# Allegro board RK_EVB7_RK3588_LP4XD200P232SD8_V11_20230111YWQ.brd (continued)
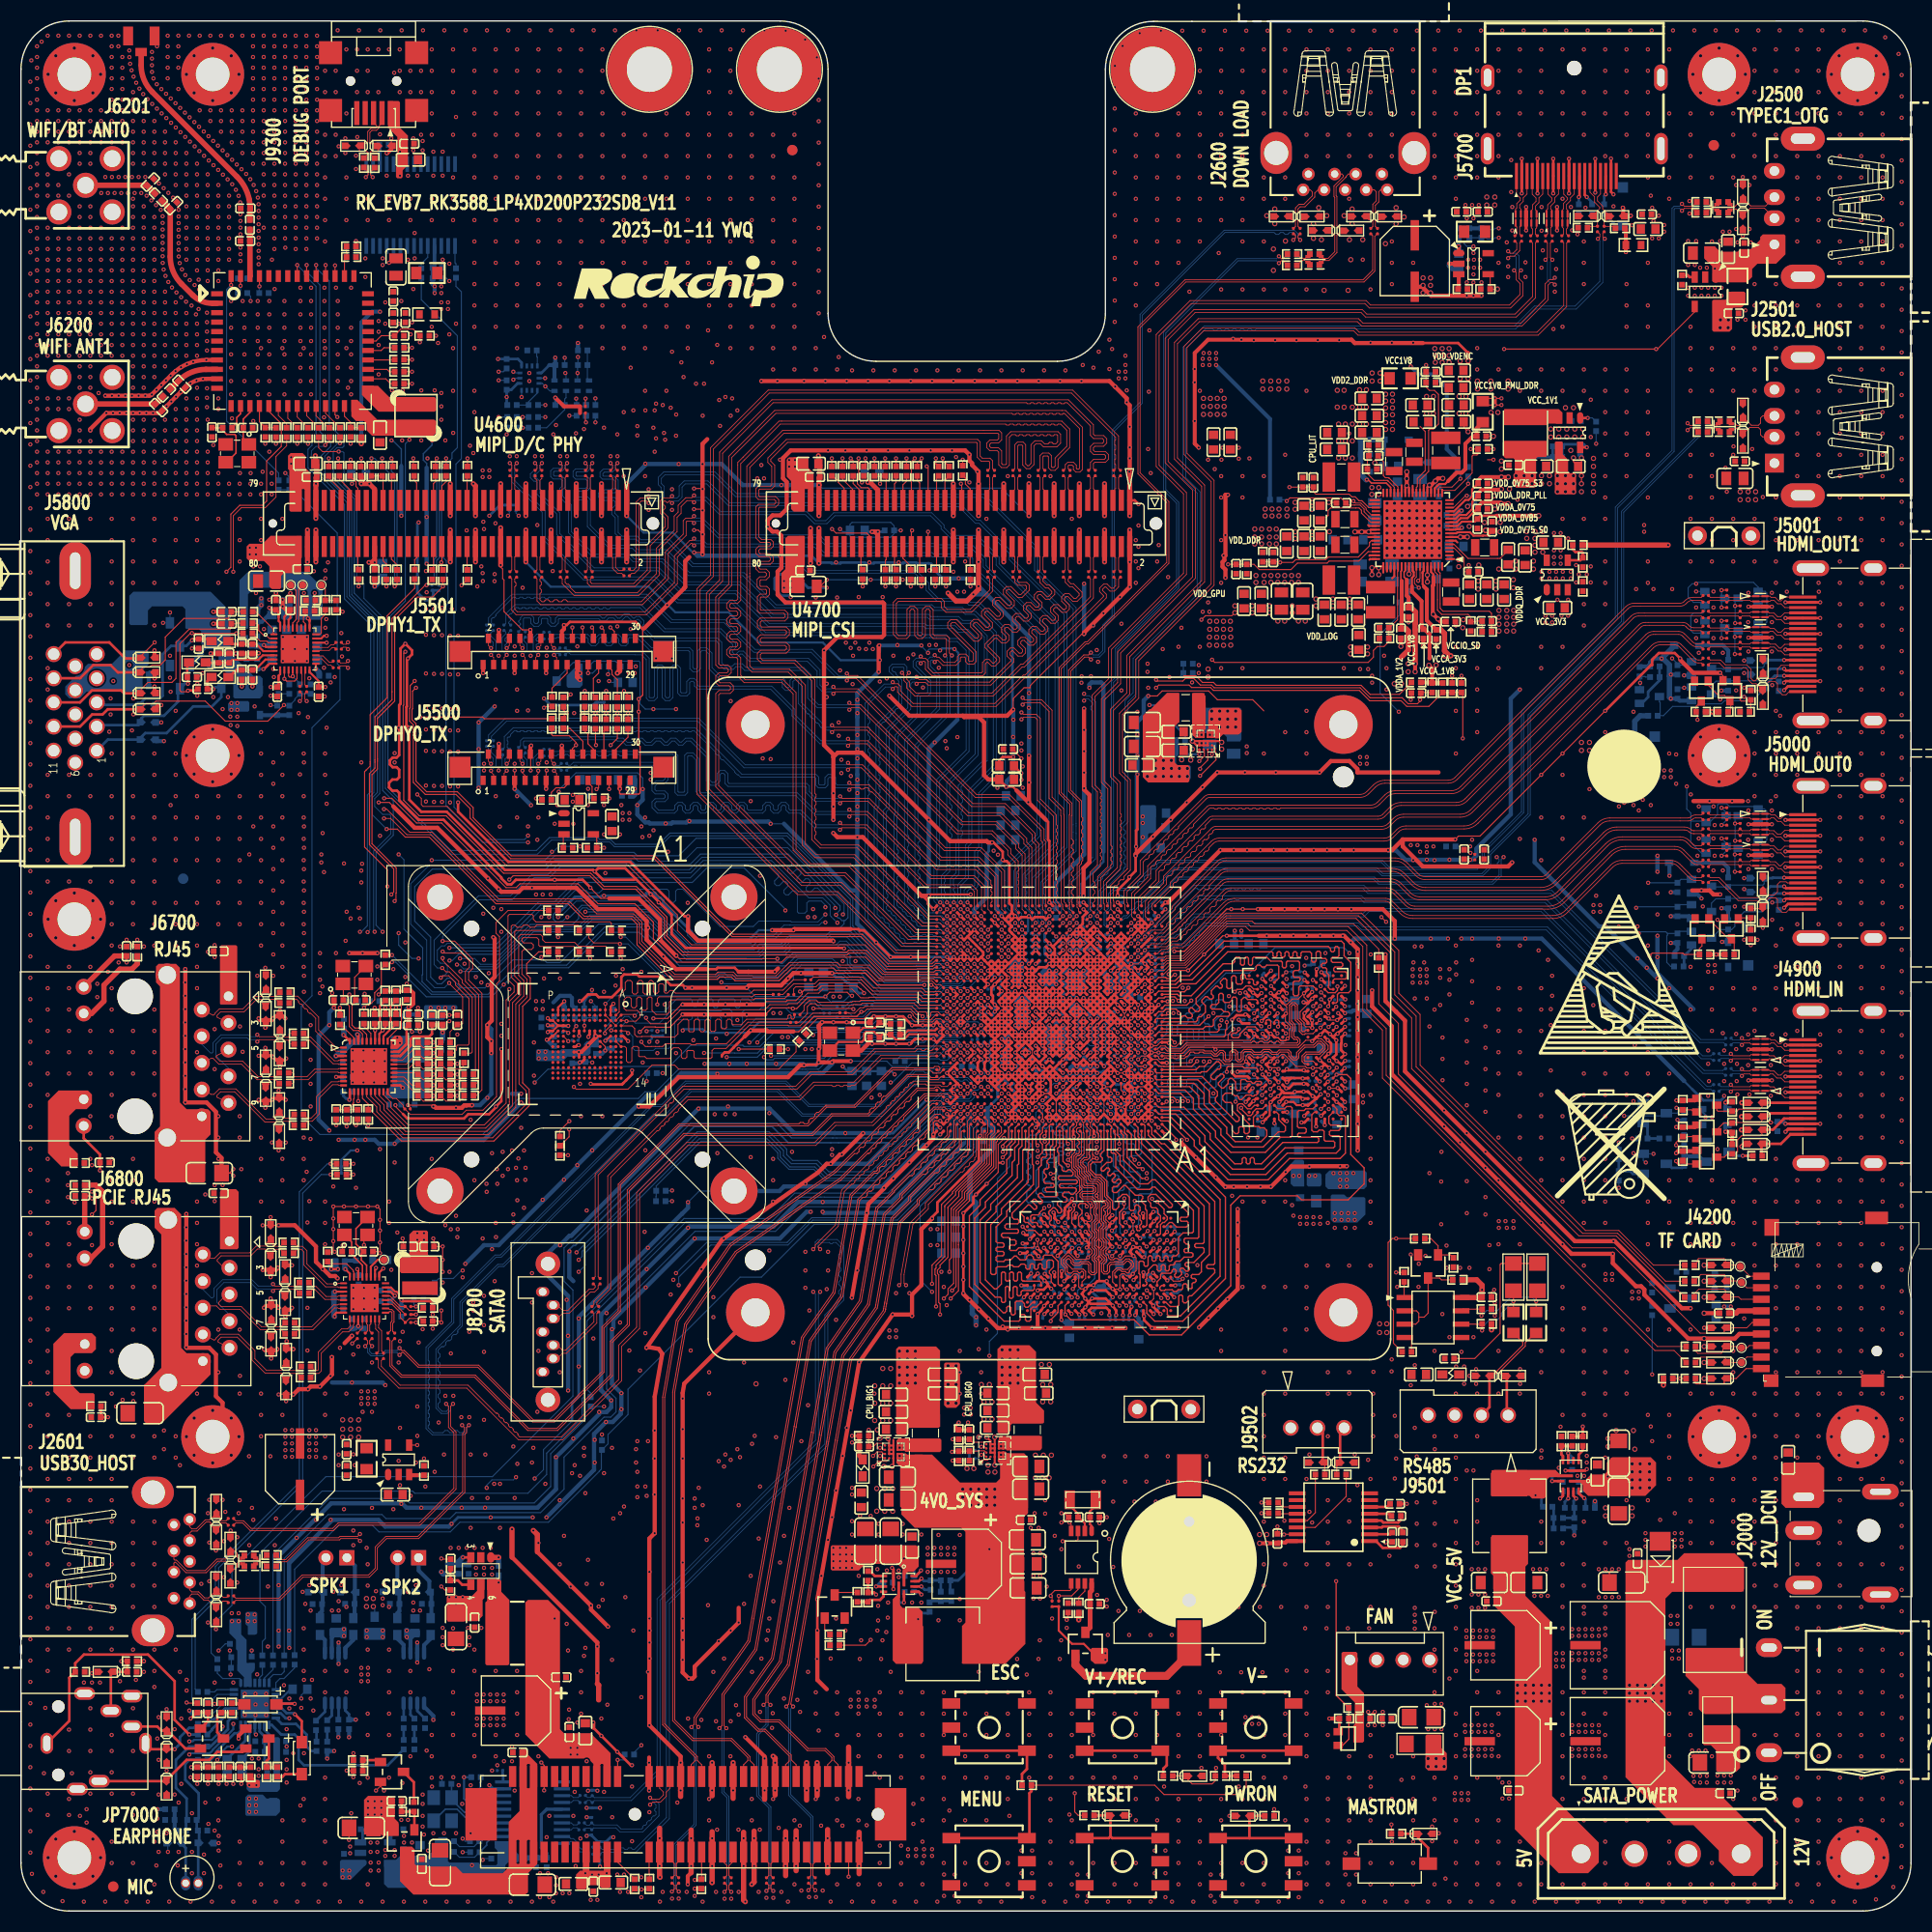
[diagram p0: board, top side]
## Nets (continued)
VDDQ_DDR: C3824.1 C3825.1 C3826.1 C3827.1 C3828.1 C3829.1 C3830.1 C3831.1 C3832.1 C3833.1 C3834.1 C3835.1 C3836.1 C3837.1 C3838.1 C3839.1 C3840.1 C3841.1 C3842.1 C3869.1 C3870.1 C3871.1 C3872.1 C3873.1 C3874.1 C3875.1 C3876.1 C3877.1 C3878.1 C3879.1 C3880.1 C3881.1 C3882.1 C3883.1 C3884.1 C3885.1 C3886.1 C3887.1 R3808.1 R3809.1 R3810.1 R3811.1 R3818.1 R3819.1 U3800.AA3(VDDQ_17) U3800.AA5(VDDQ_18) U3800.AA8(VDDQ_19) U3800.AA10(VDDQ_20) U3800.B3(VDDQ_1) U3800.B5(VDDQ_2) U3800.B8(VDDQ_3) U3800.B10(VDDQ_4) U3800.D1(VDDQ_5) U3800.D5(VDDQ_6) U3800.D8(VDDQ_7) U3800.D12(VDDQ_8) U3800.F3(VDDQ_9) U3800.F10(VDDQ_10) U3800.U3(VDDQ_11) U3800.U10(VDDQ_12) U3800.W1(VDDQ_13) U3800.W5(VDDQ_14) U3800.W8(VDDQ_15) U3800.W12(VDDQ_16) U3801.AA3(VDDQ_17) U3801.AA5(VDDQ_18) U3801.AA8(VDDQ_19) U3801.AA10(VDDQ_20) U3801.B3(VDDQ_1) U3801.B5(VDDQ_2) U3801.B8(VDDQ_3) U3801.B10(VDDQ_4) U3801.D1(VDDQ_5) U3801.D5(VDDQ_6) U3801.D8(VDDQ_7) U3801.D12(VDDQ_8) U3801.F3(VDDQ_9) U3801.F10(VDDQ_10) U3801.U3(VDDQ_11) U3801.U10(VDDQ_12) U3801.W1(VDDQ_13) U3801.W5(VDDQ_14) U3801.W8(VDDQ_15) U3801.W12(VDDQ_16)
VDDQ_DDR_CK_S0: C1206.1 C1213.1 C1232.1 R1204.1 U1000.L10(DDR_CH0_VDDQ_CK) U1000.M13(DDR_CH1_VDDQ_CK)
VDDQ_DDR_CKE_S3: C1216.1 C1219.1 R1205.1 U1000.H13(DDR_CH1_VDDQ_CKE) U1000.N8(DDR_CH0_VDDQ_CKE)
VDDQ_DDR_S0: C1200.1 C1201.1 C1202.1 C1203.1 C1204.1 C1205.1 C1207.1 C1208.1 C1209.1 C1210.1 C1211.1 C1212.1 C2224.1 C2225.1 C2226.1 C2233.1 L2204.1 R1200.2 R1201.2 R1202.2 R1203.2 R1204.2 R2207.1 R3808.2 U1000.K11(DDR_CH1_VDDQ_0) U1000.K12(DDR_CH1_VDDQ_1) U1000.K13(DDR_CH1_VDDQ_2) U1000.K14(DDR_CH1_VDDQ_3) U1000.K15(DDR_CH1_VDDQ_4) U1000.M10(DDR_CH0_VDDQ_0) U1000.N10(DDR_CH0_VDDQ_1) U1000.P10(DDR_CH0_VDDQ_2) U1000.R10(DDR_CH0_VDDQ_3) U1000.T10(DDR_CH0_VDDQ_4) U2200.67(VOUT9)
32KOUT_WIFI: C6213.1 R2400.2 R6223.1 U6200.31(LPO)
ALPS_INT: CON9000.7(INT) R9004.1 R9010.1
BIG/NPU_EN: R2302.2 R2303.1 U2300.A2(EN) U2301.A2(EN) U2303.A2(EN)
BL_EN_LCD: J5500.22 R5514.1
BOOT_SARADC_IN0: C1510.1 R1509.1 R1511.2 R9206.1 U1000.AM16(SARADC_IN0_BOOT)
BT_REG_ON_H: R6203.1 U1000.T29(GPIO0_C6_U)
BT_REG_ON_S: R6203.2 R6205.1 U6200.38(BT_REG_ON)
BT_WAKE_HOST_H: R1132.1 R6230.2 U1000.P33(GPIO0_A0_D)
CLKREQB: R6807.1 U6800.12(CLKREQB)
CONFIG0: J5700.13(CONFIG1) R5701.1
CONFIG1: J5700.14(CONFIG2) R5702.1
CPU_BIG0_VSEL: U1000.R31(GPIO0_A3_D) U2300.A1(VSEL)
CPU_BIG1_VSEL: U1000.W28(GPIO0_D6_D) U2301.A1(VSEL)
CSI_HSYNC: R4740.2 R4741.2 U4700.59(LIGHT_SENSOR0/1/XHS0)
DDR_CH0_A0_A: U1000.T7(DDR_CH0_A0_A) U3800.H2(CA0_A)
DDR_CH0_A0_B: U1000.M8(DDR_CH0_A0_B) U3800.R2(CA0_B)
DDR_CH0_A1_A: U1000.T8(DDR_CH0_A1_A) U3800.J2(CA1_A)
DDR_CH0_A1_B: U1000.M5(DDR_CH0_A1_B) U3800.P2(CA1_B)
DDR_CH0_A2_A: U1000.P4(DDR_CH0_A2_A) U3800.H9(CA2_A)
DDR_CH0_A2_B: U1000.N5(DDR_CH0_A2_B) U3800.R9(CA2_B)
DDR_CH0_A3_A: U1000.P5(DDR_CH0_A3_A) U3800.H10(CA3_A)
DDR_CH0_A3_B: U1000.N4(DDR_CH0_A3_B) U3800.R10(CA3_B)
DDR_CH0_A4_A: U1000.R1(DDR_CH0_A4_A) U3800.H11(CA4_A)
DDR_CH0_A4_B: U1000.K1(DDR_CH0_A4_B) U3800.R11(CA4_B)
DDR_CH0_A5_A: U1000.P2(DDR_CH0_A5_A) U3800.J11(CA5_A)
DDR_CH0_A5_B: U1000.L2(DDR_CH0_A5_B) U3800.P11(CA5_B)
DDR_CH0_CLKN_A: U1000.N1(DDR_CH0_CKB_A) U3800.J9(CK_C_A)
DDR_CH0_CLKN_B: U1000.M1(DDR_CH0_CKB_B) U3800.P9(CK_C_B)
DDR_CH0_CLKP_A: U1000.N2(DDR_CH0_CK_A) U3800.J8(CK_T_A)
DDR_CH0_CLKP_B: U1000.M2(DDR_CH0_CK_B) U3800.P8(CK_T_B)
DDR_CH0_DM0_A: U1000.Y4(DDR_CH0_DM0_A) U3800.C3(DMI0_A)
DDR_CH0_DM0_B: U1000.G4(DDR_CH0_DM0_B) U3800.Y3(DMI0_B)
DDR_CH0_DM1_A: U1000.AB4(DDR_CH0_DM1_A) U3800.C10(DMI1_A)
DDR_CH0_DM1_B: U1000.E4(DDR_CH0_DM1_B) U3800.Y10(DMI1_B)
DDR_CH0_DQ0_A: U1000.U1(DDR_CH0_DQ0_A) U3800.B2(DQ0_A)
DDR_CH0_DQ0_B: U1000.H1(DDR_CH0_DQ0_B) U3800.AA2(DQ0_B)
DDR_CH0_DQ1_A: U1000.T2(DDR_CH0_DQ1_A) U3800.C2(DQ1_A)
DDR_CH0_DQ1_B: U1000.J2(DDR_CH0_DQ1_B) U3800.Y2(DQ1_B)
DDR_CH0_DQ2_A: U1000.T1(DDR_CH0_DQ2_A) U3800.E2(DQ2_A)
DDR_CH0_DQ2_B: U1000.J1(DDR_CH0_DQ2_B) U3800.V2(DQ2_B)
DDR_CH0_DQ3_A: U1000.R2(DDR_CH0_DQ3_A) U3800.F2(DQ3_A)
DDR_CH0_DQ3_B: U1000.K2(DDR_CH0_DQ3_B) U3800.U2(DQ3_B)
DDR_CH0_DQ4_A: U1000.W1(DDR_CH0_DQ4_A) U3800.F4(DQ4_A)
DDR_CH0_DQ4_B: U1000.F1(DDR_CH0_DQ4_B) U3800.U4(DQ4_B)
DDR_CH0_DQ5_A: U1000.V2(DDR_CH0_DQ5_A) U3800.E4(DQ5_A)
DDR_CH0_DQ5_B: U1000.G2(DDR_CH0_DQ5_B) U3800.V4(DQ5_B)
DDR_CH0_DQ6_A: U1000.V1(DDR_CH0_DQ6_A) U3800.C4(DQ6_A)
DDR_CH0_DQ6_B: U1000.G1(DDR_CH0_DQ6_B) U3800.Y4(DQ6_B)
DDR_CH0_DQ7_A: U1000.U2(DDR_CH0_DQ7_A) U3800.B4(DQ7_A)
DDR_CH0_DQ7_B: U1000.H2(DDR_CH0_DQ7_B) U3800.AA4(DQ7_B)
DDR_CH0_DQ8_A: U1000.AB2(DDR_CH0_DQ8_A) U3800.B11(DQ8_A)
DDR_CH0_DQ8_B: U1000.D2(DDR_CH0_DQ8_B) U3800.AA11(DQ8_B)
DDR_CH0_DQ9_A: U1000.AB1(DDR_CH0_DQ9_A) U3800.C11(DQ9_A)
DDR_CH0_DQ9_B: U1000.C1(DDR_CH0_DQ9_B) U3800.Y11(DQ9_B)
DDR_CH0_DQ10_A: U1000.AC1(DDR_CH0_DQ10_A) U3800.E11(DQ10_A)
DDR_CH0_DQ10_B: U1000.C2(DDR_CH0_DQ10_B) U3800.V11(DQ10_B)
DDR_CH0_DQ11_A: U1000.AC2(DDR_CH0_DQ11_A) U3800.F11(DQ11_A)
DDR_CH0_DQ11_B: U1000.B1(DDR_CH0_DQ11_B) U3800.U11(DQ11_B)
DDR_CH0_DQ12_A: U1000.Y1(DDR_CH0_DQ12_A) U3800.F9(DQ12_A)
DDR_CH0_DQ12_B: U1000.F2(DDR_CH0_DQ12_B) U3800.U9(DQ12_B)
DDR_CH0_DQ13_A: U1000.Y2(DDR_CH0_DQ13_A) U3800.E9(DQ13_A)
DDR_CH0_DQ13_B: U1000.E1(DDR_CH0_DQ13_B) U3800.V9(DQ13_B)
DDR_CH0_DQ14_A: U1000.AA1(DDR_CH0_DQ14_A) U3800.C9(DQ14_A)
DDR_CH0_DQ14_B: U1000.E2(DDR_CH0_DQ14_B) U3800.Y9(DQ14_B)
DDR_CH0_DQ15_A: U1000.AA2(DDR_CH0_DQ15_A) U3800.B9(DQ15_A)
DDR_CH0_DQ15_B: U1000.D1(DDR_CH0_DQ15_B) U3800.AA9(DQ15_B)
DDR_CH0_DQS0N_A: U1000.U4(DDR_CH0_DQS0N_A) U3800.E3(DQS0_C_A)
DDR_CH0_DQS0N_B: U1000.J7(DDR_CH0_DQS0N_B) U3800.V3(DQS0_C_B)
DDR_CH0_DQS0P_A: U1000.U5(DDR_CH0_DQS0P_A) U3800.D3(DQS0_T_A)
DDR_CH0_DQS0P_B: U1000.J8(DDR_CH0_DQS0P_B) U3800.W3(DQS0_T_B)
DDR_CH0_DQS1N_A: U1000.AA4(DDR_CH0_DQS1N_A) U3800.E10(DQS1_C_A)
DDR_CH0_DQS1N_B: U1000.F4(DDR_CH0_DQS1N_B) U3800.V10(DQS1_C_B)
DDR_CH0_DQS1P_A: U1000.AA5(DDR_CH0_DQS1P_A) U3800.D10(DQS1_T_A)
DDR_CH0_DQS1P_B: U1000.F5(DDR_CH0_DQS1P_B) U3800.W10(DQS1_T_B)
DDR_CH0_LP4/4X_CKE0/LP5_CS0_A: R3801.1 U1000.P7(DDR_CH0_LP4/4X_CKE0/LP5_CS0_A)
DDR_CH0_LP4/4X_CKE0/LP5_CS0_B: R3804.1 U1000.L5(DDR_CH0_LP4/4X_CKE0/LP5_CS0_B)
DDR_CH0_LP4/4X_CKE0_A: R3801.2 U3800.J4(CKE0_A)
DDR_CH0_LP4/4X_CKE0_B: R3804.2 U3800.P4(CKE0_B)
DDR_CH0_LP4/4X_CKE1/LP5_CS1_A: R3802.1 U1000.N7(DDR_CH0_LP4/4X_CKE1/LP5_CS1_A)
DDR_CH0_LP4/4X_CKE1/LP5_CS1_B: R3805.1 U1000.L4(DDR_CH0_LP4/4X_CKE1/LP5_CS1_B)
DDR_CH0_LP4/4X_CKE1_A: R3802.2 U3800.J5(CKE1_A)
DDR_CH0_LP4/4X_CKE1_B: R3805.2 U3800.P5(CKE1_B)
DDR_CH0_LP4/4X_CS0_A: U1000.R6(DDR_CH0_LP4/4X_CS0_A) U3800.H4(CS0_A)
DDR_CH0_LP4/4X_CS0_B: U1000.L7(DDR_CH0_LP4/4X_CS0_B) U3800.R4(CS0_B)
DDR_CH0_LP4/4X_CS1_A: U1000.R7(DDR_CH0_LP4/4X_CS1_A) U3800.H3(CS1_A)
DDR_CH0_LP4/4X_CS1_B: U1000.L8(DDR_CH0_LP4/4X_CS1_B) U3800.R3(CS1_B)
DDR_CH1_A0_C: U1000.G12(DDR_CH1_A0_C) U3801.H2(CA0_A)
DDR_CH1_A0_D: U1000.H15(DDR_CH1_A0_D) U3801.R2(CA0_B)
DDR_CH1_A1_C: U1000.F12(DDR_CH1_A1_C) U3801.J2(CA1_A)
DDR_CH1_A1_D: U1000.G14(DDR_CH1_A1_D) U3801.P2(CA1_B)
DDR_CH1_A2_C: U1000.E13(DDR_CH1_A2_C) U3801.H9(CA2_A)
DDR_CH1_A2_D: U1000.G13(DDR_CH1_A2_D) U3801.R9(CA2_B)
DDR_CH1_A3_C: U1000.D13(DDR_CH1_A3_C) U3801.H10(CA3_A)
DDR_CH1_A3_D: U1000.E14(DDR_CH1_A3_D) U3801.R10(CA3_B)
DDR_CH1_A4_C: U1000.A10(DDR_CH1_A4_C) U3801.H11(CA4_A)
DDR_CH1_A4_D: U1000.A15(DDR_CH1_A4_D) U3801.R11(CA4_B)
DDR_CH1_A5_C: U1000.B11(DDR_CH1_A5_C) U3801.J11(CA5_A)
DDR_CH1_A5_D: U1000.B14(DDR_CH1_A5_D) U3801.P11(CA5_B)
DDR_CH1_CLKN_C: U1000.A12(DDR_CH1_CKB_C) U3801.J9(CK_C_A)
DDR_CH1_CLKN_D: U1000.A13(DDR_CH1_CKB_D) U3801.P9(CK_C_B)
DDR_CH1_CLKP_C: U1000.B12(DDR_CH1_CK_C) U3801.J8(CK_T_A)
DDR_CH1_CLKP_D: U1000.B13(DDR_CH1_CK_D) U3801.P8(CK_T_B)
DDR_CH1_DM0_C: U1000.F8(DDR_CH1_DM0_C) U3801.C3(DMI0_A)
DDR_CH1_DM0_D: U1000.D20(DDR_CH1_DM0_D) U3801.Y3(DMI0_B)
DDR_CH1_DM1_C: U1000.D4(DDR_CH1_DM1_C) U3801.C10(DMI1_A)
DDR_CH1_DM1_D: U1000.D22(DDR_CH1_DM1_D) U3801.Y10(DMI1_B)
DDR_CH1_DQ0_C: U1000.A8(DDR_CH1_DQ0_C) U3801.B2(DQ0_A)
DDR_CH1_DQ0_D: U1000.A17(DDR_CH1_DQ0_D) U3801.AA2(DQ0_B)
DDR_CH1_DQ1_C: U1000.B9(DDR_CH1_DQ1_C) U3801.C2(DQ1_A)
DDR_CH1_DQ1_D: U1000.B16(DDR_CH1_DQ1_D) U3801.Y2(DQ1_B)
DDR_CH1_DQ2_C: U1000.A9(DDR_CH1_DQ2_C) U3801.E2(DQ2_A)
DDR_CH1_DQ2_D: U1000.A16(DDR_CH1_DQ2_D) U3801.V2(DQ2_B)
DDR_CH1_DQ3_C: U1000.B10(DDR_CH1_DQ3_C) U3801.F2(DQ3_A)
DDR_CH1_DQ3_D: U1000.B15(DDR_CH1_DQ3_D) U3801.U2(DQ3_B)
DDR_CH1_DQ4_C: U1000.A6(DDR_CH1_DQ4_C) U3801.F4(DQ4_A)
DDR_CH1_DQ4_D: U1000.A19(DDR_CH1_DQ4_D) U3801.U4(DQ4_B)
DDR_CH1_DQ5_C: U1000.B7(DDR_CH1_DQ5_C) U3801.E4(DQ5_A)
DDR_CH1_DQ5_D: U1000.B18(DDR_CH1_DQ5_D) U3801.V4(DQ5_B)
DDR_CH1_DQ6_C: U1000.A7(DDR_CH1_DQ6_C) U3801.C4(DQ6_A)
DDR_CH1_DQ6_D: U1000.A18(DDR_CH1_DQ6_D) U3801.Y4(DQ6_B)
DDR_CH1_DQ7_C: U1000.B8(DDR_CH1_DQ7_C) U3801.B4(DQ7_A)
DDR_CH1_DQ7_D: U1000.B17(DDR_CH1_DQ7_D) U3801.AA4(DQ7_B)
DDR_CH1_DQ8_C: U1000.A3(DDR_CH1_DQ8_C) U3801.B11(DQ8_A)
DDR_CH1_DQ8_D: U1000.A22(DDR_CH1_DQ8_D) U3801.AA11(DQ8_B)
DDR_CH1_DQ9_C: U1000.B3(DDR_CH1_DQ9_C) U3801.C11(DQ9_A)
DDR_CH1_DQ9_D: U1000.B22(DDR_CH1_DQ9_D) U3801.Y11(DQ9_B)
DDR_CH1_DQ10_C: U1000.A2(DDR_CH1_DQ10_C) U3801.E11(DQ10_A)
DDR_CH1_DQ10_D: U1000.A23(DDR_CH1_DQ10_D) U3801.V11(DQ10_B)
DDR_CH1_DQ11_C: U1000.B2(DDR_CH1_DQ11_C) U3801.F11(DQ11_A)
DDR_CH1_DQ11_D: U1000.B23(DDR_CH1_DQ11_D) U3801.U11(DQ11_B)
DDR_CH1_DQ12_C: U1000.A5(DDR_CH1_DQ12_C) U3801.F9(DQ12_A)
DDR_CH1_DQ12_D: U1000.A20(DDR_CH1_DQ12_D) U3801.U9(DQ12_B)
DDR_CH1_DQ13_C: U1000.B5(DDR_CH1_DQ13_C) U3801.E9(DQ13_A)
DDR_CH1_DQ13_D: U1000.B20(DDR_CH1_DQ13_D) U3801.V9(DQ13_B)
DDR_CH1_DQ14_C: U1000.A4(DDR_CH1_DQ14_C) U3801.C9(DQ14_A)
DDR_CH1_DQ14_D: U1000.A21(DDR_CH1_DQ14_D) U3801.Y9(DQ14_B)
DDR_CH1_DQ15_C: U1000.B4(DDR_CH1_DQ15_C) U3801.B9(DQ15_A)
DDR_CH1_DQ15_D: U1000.B21(DDR_CH1_DQ15_D) U3801.AA9(DQ15_B)
DDR_CH1_DQS0N_C: U1000.D9(DDR_CH1_DQS0N_C) U3801.E3(DQS0_C_A)
DDR_CH1_DQS0N_D: U1000.G16(DDR_CH1_DQS0N_D) U3801.V3(DQS0_C_B)
DDR_CH1_DQS0P_C: U1000.E9(DDR_CH1_DQS0P_C) U3801.D3(DQS0_T_A)
DDR_CH1_DQS0P_D: U1000.H16(DDR_CH1_DQS0P_D) U3801.W3(DQS0_T_B)
DDR_CH1_DQS1N_C: U1000.D5(DDR_CH1_DQS1N_C) U3801.E10(DQS1_C_A)
DDR_CH1_DQS1N_D: U1000.E21(DDR_CH1_DQS1N_D) U3801.V10(DQS1_C_B)
DDR_CH1_DQS1P_C: U1000.E5(DDR_CH1_DQS1P_C) U3801.D10(DQS1_T_A)
DDR_CH1_DQS1P_D: U1000.D21(DDR_CH1_DQS1P_D) U3801.W10(DQS1_T_B)
DDR_CH1_LP4/4X_CKE0/LP5_CS0_C: R3812.1 U1000.D11(DDR_CH1_LP4/4X_CKE0/LP5_CS0_C)
DDR_CH1_LP4/4X_CKE0/LP5_CS0_D: R3814.1 U1000.D16(DDR_CH1_LP4/4X_CKE0/LP5_CS0_D)
DDR_CH1_LP4/4X_CKE0_C: R3812.2 U3801.J4(CKE0_A)
DDR_CH1_LP4/4X_CKE0_D: R3814.2 U3801.P4(CKE0_B)
DDR_CH1_LP4/4X_CKE1/LP5_CS1_C: R3813.1 U1000.E11(DDR_CH1_LP4/4X_CKE1/LP5_CS1_C)
DDR_CH1_LP4/4X_CKE1/LP5_CS1_D: R3815.1 U1000.E16(DDR_CH1_LP4/4X_CKE1/LP5_CS1_D)
DDR_CH1_LP4/4X_CKE1_C: R3813.2 U3801.J5(CKE1_A)
DDR_CH1_LP4/4X_CKE1_D: R3815.2 U3801.P5(CKE1_B)
DDR_CH1_LP4/4X_CS0_C: U1000.G11(DDR_CH1_LP4/4X_CS0_C) U3801.H4(CS0_A)
DDR_CH1_LP4/4X_CS0_D: U1000.E19(DDR_CH1_LP4/4X_CS0_D) U3801.R4(CS0_B)
DDR_CH1_LP4/4X_CS1_C: U1000.H11(DDR_CH1_LP4/4X_CS1_C) U3801.H3(CS1_A)
DDR_CH1_LP4/4X_CS1_D: U1000.D19(DDR_CH1_LP4/4X_CS1_D) U3801.R3(CS1_B)
DDR_RESET: C3844.1 C3888.1 U1000.T4(DDR_CH0_RESET_A) U3800.T11(RESET_N) U3801.T11(RESET_N)
DEBUG_DM: ED9301.1 J9300.2(DM) R9302.2
DEBUG_DP: ED9300.1 J9300.3(DP) R9303.2
DP0_AUXN: C5800.1 U1000.AM15(TYPEC0_SBU2/DP0_AUXN)
DP0_AUXP: C5801.1 U1000.AL15(TYPEC0_SBU1/DP0_AUXP)
DP0_TX2N: C5809.1 U1000.AP15(TYPEC0_SSRX2N/DP0_TX2N)
DP0_TX2P: C5808.1 U1000.AN15(TYPEC0_SSRX2P/DP0_TX2P)
DP0_TX3N: C5816.1 U1000.AN16(TYPEC0_SSTX2N/DP0_TX3N)
DP0_TX3P: C5810.1 U1000.AP16(TYPEC0_SSTX2P/DP0_TX3P)
DP1_AUXN: C5709.1 U1000.AM10(TYPEC1_SBU2/DP1_AUXN)
DP1_AUXP: C5708.1 U1000.AL10(TYPEC1_SBU1/DP1_AUXP)
DP1_HPDIN_M0: D5700.2(CATHODE) R5706.1 U1000.AB28(GPIO3_D5_D)
DP1_REXT: R1410.1 U1000.AG16(TYPEC1_DP1_REXT)
DP1_TX0N: C5707.1 U1000.AP8(TYPEC1_SSRX1N/DP1_TX0N)
DP1_TX0N_PORT: C5703.2 J5700.3(LANE0-) U5700.2(IO2) U5700.9(NC_9)
DP1_TX0P: C5706.1 U1000.AN8(TYPEC1_SSRX1P/DP1_TX0P)
DP1_TX0P_PORT: C5700.2 J5700.1(LANE0+) U5700.1(IO1) U5700.10(NC_10)
DP1_TX1N: C5705.1 U1000.AN9(TYPEC1_SSTX1N/DP1_TX1N)
DP1_TX1N_PORT: C5702.2 J5700.6(LANE1-) U5700.5(IO4) U5700.6(NC_6)
DP1_TX1P: C5704.1 U1000.AP9(TYPEC1_SSTX1P/DP1_TX1P)
DP1_TX1P_PORT: C5701.2 J5700.4(LANE1+) U5700.4(IO3) U5700.7(NC_7)
DP1_TX2N: C5702.1 U1000.AP10(TYPEC1_SSRX2N/DP1_TX2N)
DP1_TX2N_PORT: C5705.2 J5700.9(LANE2-) U5701.2(IO2) U5701.9(NC_9)
DP1_TX2P: C5701.1 U1000.AN10(TYPEC1_SSRX2P/DP1_TX2P)
DP1_TX2P_PORT: C5704.2 J5700.7(LANE2+) U5701.1(IO1) U5701.10(NC_10)
DP1_TX3N: C5703.1 U1000.AN11(TYPEC1_SSTX2N/DP1_TX3N)
DP1_TX3N_PORT: C5707.2 J5700.12(LANE3-) U5701.5(IO4) U5701.6(NC_6)
DP1_TX3P: C5700.1 U1000.AP11(TYPEC1_SSTX2P/DP1_TX3P)
DP1_TX3P_PORT: C5706.2 J5700.10(LANE3+) U5701.4(IO3) U5701.7(NC_7)
DP_AUXN: C5800.2 U5800.14(RXAUXN)
DP_AUXP: C5801.2 U5800.15(RXAUXP)
DP_RX0N: C5809.2 U5800.19(RX0N)
DP_RX0P: C5808.2 U5800.18(RX0P)
DP_RX1N: C5816.2 U5800.21(RX1N)
DP_RX1P: C5810.2 U5800.20(RX1P)
DP_TX_AUXN: C5709.2 ED5700.1 J5700.17(AUX CH-) R5703.2
DP_TX_AUXP: C5708.2 ED5701.1 J5700.15(AUX CH+) R5700.2
DP_TX_HPD_PORT: J5700.18(HOTPLUG) R5706.2
DPHY0_RX_CLKN: R4608.2 U4600.15(MIPI0_CLK0N)
DPHY0_RX_CLKP: R4610.2 U4600.17(MIPI0_CLK0P)
DPHY0_RX_D0N: R4600.2 U4600.3(MIPI0_D0N)
DPHY0_RX_D0P: R4602.2 U4600.5(MIPI0_D0P)
DPHY0_RX_D1N: R4604.2 U4600.9(MIPI0_D1N)
DPHY0_RX_D1P: R4606.2 U4600.11(MIPI0_D1P)
DPHY0_RX_D2N: R4612.2 U4600.21(MIPI0_D2N)
DPHY0_RX_D2P: R4614.2 U4600.23(MIPI0_D2P)
DPHY0_RX_D3N: R4616.2 U4600.27(MIPI0_D3N)
DPHY0_RX_D3P: R4618.2 U4600.29(MIPI0_D3P)
DPHY0_RX_MCLK: R4620.2 U4600.39(MIPI0_MCLK0)
DPHY0_TX_CLKN: J5500.8 R5504.1
DPHY0_TX_CLKP: J5500.9 R5505.2
DPHY0_TX_D0N: J5500.2 R5501.1
DPHY0_TX_D0P: J5500.3 R5500.2
DPHY0_TX_D1N: J5500.5 R5502.2
DPHY0_TX_D1P: J5500.6 R5503.1
DPHY0_TX_D2N: J5500.11 R5506.2
DPHY0_TX_D2P: J5500.12 R5507.1
DPHY0_TX_D3N: J5500.14 R5508.1
DPHY0_TX_D3P: J5500.15 R5509.2
DPHY1_RX_CLKN: R4609.1 U4600.16(MIPI1_CLK0N)
DPHY1_RX_CLKP: R4611.1 U4600.18(MIPI1_CLK0P)
DPHY1_RX_D0N: R4601.1 U4600.4(MIPI1_D0N)
DPHY1_RX_D0P: R4603.1 U4600.6(MIPI1_D0P)
DPHY1_RX_D1N: R4605.1 U4600.10(MIPI1_D1N)
DPHY1_RX_D1P: R4607.1 U4600.12(MIPI1_D1P)
DPHY1_RX_D2N: R4613.1 U4600.22(MIPI1_D2N)
DPHY1_RX_D2P: R4615.1 U4600.24(MIPI1_D2P)
DPHY1_RX_D3N: R4617.1 U4600.28(MIPI1_D3N)
DPHY1_RX_D3P: R4619.1 U4600.30(MIPI1_D3P)
DPHY1_RX_MCLK: R4621.1 U4600.40(MIPI1_MCLK0)
DPHY1_TX_CLKN: J5501.8 R5534.1
DPHY1_TX_CLKP: J5501.9 R5535.2
DPHY1_TX_D0N: J5501.2 R5531.1
DPHY1_TX_D0P: J5501.3 R5530.2
DPHY1_TX_D1N: J5501.5 R5532.2
DPHY1_TX_D1P: J5501.6 R5533.1
DPHY1_TX_D2N: J5501.11 R5536.2
DPHY1_TX_D2P: J5501.12 R5537.1
DPHY1_TX_D3N: J5501.14 R5538.1
DPHY1_TX_D3P: J5501.15 R5539.2
DPHY_HSYNC: R4642.2 R4651.2 U4600.59(LIGHT_SENSOR0/1/XHS0)
DPHY_VSYNC: R4630.2 U4600.57(CAM0/1_FSYNC)
EMMC_CLKOUT: C4005.1 R1317.2 U4000.M6(CLK)
EMMC_CMD: R1310.2 R4000.2 U4000.M5(CMD)
EMMC_CMD/FSPI_CLK: R1310.1 U1000.W34(GPIO2_A0_U)
EMMC_D0: R1306.2 R4001.2 U4000.A3(DATA0)
EMMC_D0/FSPI_D0: R1306.1 U1000.Y33(GPIO2_D0_U)
EMMC_D1: R1307.2 U4000.A4(DATA1)
EMMC_D1/FSPI_D1: R1307.1 U1000.W33(GPIO2_D1_U)
EMMC_D2: R1308.2 U4000.A5(DATA2)
EMMC_D2/FSPI_D2: R1308.1 U1000.V32(GPIO2_D2_U)
EMMC_D3: R1309.2 U4000.B2(DATA3)
EMMC_D3/FSPI_D3: R1309.1 U1000.AA33(GPIO2_D3_U)
EMMC_D4: R1314.2 U4000.B3(DATA4)
EMMC_D5: R1315.2 U4000.B4(DATA5)
EMMC_D6: R1311.2 U4000.B5(DATA6)
EMMC_D6/FSPI_CS0: R1311.1 U1000.W32(GPIO2_D6_U)
EMMC_D7: R1316.2 U4000.B6(DATA7)
EMMC_DATA_STROBE: R4003.1 U1000.Y34(GPIO2_A2_D)
EMMC_RSTN: R1318.2 R4002.2 U4000.K5(RST_N)
FAN_12V: C2403.1 C2404.1 F2400.2 U2401.2(+12V)
GMAC1_MCLKINOUT: C6704.1 R1519.2 R6710.1 R6712.1
GMAC1_MDC: U1000.Y31(GPIO3_C2_D) U6700.13(MDC)
GMAC1_MDIO: R1520.2 R6734.2 U6700.14(MDIO)
GMAC1_RSTN_L: R6735.1 U1000.AA28(GPIO3_B7_D)
GMAC1_RXCLK: C6720.1 R6740.2 U1000.AH30(GPIO3_A5_D)
GMAC1_RXD0: R6736.2 U1000.AG29(GPIO3_A7_U)
GMAC1_RXD1: R6737.2 U1000.AG28(GPIO3_B0_U)
GMAC1_RXD2: R6738.2 U1000.AD27(GPIO3_A2_U)
GMAC1_RXD3: R6739.2 U1000.AE27(GPIO3_A3_U)
GMAC1_RXDV_CRS: R6741.2 U1000.AH29(GPIO3_B1_D)
GMAC1_TXCLK: C6713.1 R1514.2 U6700.20(TXC)
GMAC1_TXD0: R1515.2 U6700.18(TXD0)
GMAC1_TXD1: R1516.2 U6700.17(TXD1)
GMAC1_TXD2: R1512.2 U6700.16(TXD2)
GMAC1_TXD3: R1513.2 U6700.15(TXD3)
GMAC1_TXEN: R1517.2 U6700.19(TXCTL)
GPIO1_C4: R1530.1 R1531.1 U1000.E30(GPIO1_C4_D)
GPIO1_C7: R1535.2 U4700.49(MIPI0_0_RST)
GPIO1_D4: R1534.2 U4700.53(MIPI0_1_RST)
GPIO1_D5: R1532.1 R1533.1 U1000.G26(GPIO1_D5_D)
GPIO4_C2: R1924.1 R9011.2 U1000.AE31(GPIO4_C2_D)
GPIO4_C6: R1923.1 R9010.2 U1000.AF33(GPIO4_C6_D)
GSENSOR_INT: R9011.1 U9000.4(INT1)
HDMI0_EARC+: C5000.2 ED5005.1 J5000.14(UTILITY)
HDMI0_EARC-: C5001.2 ED5006.1 J5000.19(HPD) R5016.2
HDMI0_TX0N_PORT: C5007.2 ED5001.2(IO2) ED5001.9(NC_9) J5000.9(D0N) R5013.1
HDMI0_TX0N_PORT/EDP0_TX_D0N: C5007.1 U1000.AJ1(HDMI_TX0_D0N/EDP_TX0_D0N)
HDMI0_TX0P_PORT: C5006.2 ED5001.1(IO1) ED5001.10(NC_10) J5000.7(D0P) R5014.1
HDMI0_TX0P_PORT/EDP0_TX_D0P: C5006.1 U1000.AJ2(HDMI_TX0_D0P/EDP_TX0_D0P)
HDMI0_TX1N_PORT: C5005.2 ED5000.5(IO4) ED5000.6(NC_6) J5000.6(D1N) R5011.1
HDMI0_TX1N_PORT/EDP0_TX_D1N: C5005.1 U1000.AK2(HDMI_TX0_D1N/EDP_TX0_D1N)
HDMI0_TX1P_PORT: C5004.2 ED5000.4(IO3) ED5000.7(NC_7) J5000.4(D1P) R5012.1
HDMI0_TX1P_PORT/EDP0_TX_D1P: C5004.1 U1000.AK3(HDMI_TX0_D1P/EDP_TX0_D1P)
HDMI0_TX2N_PORT: C5003.2 ED5000.2(IO2) ED5000.9(NC_9) J5000.3(D2N) R5009.1
HDMI0_TX2N_PORT/EDP0_TX_D2N: C5003.1 U1000.AL1(HDMI_TX0_D2N/EDP_TX0_D2N)
HDMI0_TX2P_PORT: C5002.2 ED5000.1(IO1) ED5000.10(NC_10) J5000.1(D2P) R5010.1
HDMI0_TX2P_PORT/EDP0_TX_D2P: C5002.1 U1000.AL2(HDMI_TX0_D2P/EDP_TX0_D2P)
HDMI0_TX3N_PORT: C5009.2 ED5001.5(IO4) ED5001.6(NC_6) J5000.12(CLKN) R5007.1
HDMI0_TX3N_PORT/EDP0_TX_D3N: C5009.1 U1000.AH2(HDMI_TX0_D3N/EDP_TX0_D3N)
HDMI0_TX3P_PORT: C5008.2 ED5001.4(IO3) ED5001.7(NC_7) J5000.10(CLKP) R5008.1
HDMI0_TX3P_PORT/EDP0_TX_D3P: C5008.1 U1000.AH3(HDMI_TX0_D3P/EDP_TX0_D3P)
HDMI0_TX_CEC_PORT: ED5004.1 J5000.13(CEC) Q5002.3(DRAIN) R5018.2
HDMI0_TX_ON_H: Q5003.1(GATE) Q5004.1(GATE) Q5005.1(GATE) Q5006.1(GATE) U1000.AL24(GPIO4_B1_U)
HDMI0_TX_SBDN/EDP0_TX_AUXN: C5001.1 U1000.AG1(HDMI_TX0_SBDN/EDP_TX0_AUXN)
HDMI0_TX_SBDP/EDP0_TX_AUXP: C5000.1 U1000.AG2(HDMI_TX0_SBDP/EDP_TX0_AUXP)
HDMI0_TX_SCL_PORT: ED5003.1 J5000.15(SCL) Q5000.3(DRAIN) R5001.2
HDMI0_TX_SDA_PORT: ED5002.1 J5000.16(SDA) Q5001.3(DRAIN) R5004.2
HDMI1_EARC+: C5015.2 ED5013.1 J5001.14(UTILITY)
HDMI1_EARC-: C5016.2 ED5009.1 J5001.19(HPD) R5036.2
HDMI1_TX0N_PORT: C5021.2 ED5008.2(IO2) ED5008.9(NC_9) J5001.9(D0N) R5033.1
HDMI1_TX0N_PORT/EDP1_TX_D0N: C5021.1 U1000.AP4(HDMI_TX1_D0N/EDP_TX1_D0N)
HDMI1_TX0P_PORT: C5020.2 ED5008.1(IO1) ED5008.10(NC_10) J5001.7(D0P) R5034.1
HDMI1_TX0P_PORT/EDP1_TX_D0P: C5020.1 U1000.AN4(HDMI_TX1_D0P/EDP_TX1_D0P)
HDMI1_TX1N_PORT: C5019.2 ED5007.5(IO4) ED5007.6(NC_6) J5001.6(D1N) R5031.1
HDMI1_TX1N_PORT/EDP1_TX_D1N: C5019.1 U1000.AN5(HDMI_TX1_D1N/EDP_TX1_D1N)
HDMI1_TX1P_PORT: C5018.2 ED5007.4(IO3) ED5007.7(NC_7) J5001.4(D1P) R5032.1
HDMI1_TX1P_PORT/EDP1_TX_D1P: C5018.1 U1000.AM5(HDMI_TX1_D1P/EDP_TX1_D1P)
HDMI1_TX2N_PORT: C5014.2 ED5007.2(IO2) ED5007.9(NC_9) J5001.3(D2N) R5029.1
HDMI1_TX2N_PORT/EDP1_TX_D2N: C5014.1 U1000.AP6(HDMI_TX1_D2N/EDP_TX1_D2N)
HDMI1_TX2P_PORT: C5017.2 ED5007.1(IO1) ED5007.10(NC_10) J5001.1(D2P) R5030.1
HDMI1_TX2P_PORT/EDP1_TX_D2P: C5017.1 U1000.AN6(HDMI_TX1_D2P/EDP_TX1_D2P)
HDMI1_TX3N_PORT: C5023.2 ED5008.5(IO4) ED5008.6(NC_6) J5001.12(CLKN) R5027.1
HDMI1_TX3N_PORT/EDP1_TX_D3N: C5023.1 U1000.AN3(HDMI_TX1_D3N/EDP_TX1_D3N)
HDMI1_TX3P_PORT: C5022.2 ED5008.4(IO3) ED5008.7(NC_7) J5001.10(CLKP) R5028.1
HDMI1_TX3P_PORT/EDP1_TX_D3P: C5022.1 U1000.AM3(HDMI_TX1_D3P/EDP_TX1_D3P)
HDMI1_TX_CEC_PORT: ED5012.1 J5001.13(CEC) Q5013.3(DRAIN) R5039.2
HDMI1_TX_ON_H: Q5009.1(GATE) Q5010.1(GATE) Q5011.1(GATE) Q5012.1(GATE) U1000.AK25(GPIO4_B2_U)
HDMI1_TX_SBDN/EDP1_TX_AUXN: C5016.1 U1000.AP2(HDMI_TX1_SBDN/EDP_TX1_AUXN)
HDMI1_TX_SBDP/EDP1_TX_AUXP: C5015.1 U1000.AN2(HDMI_TX1_SBDP/EDP_TX1_AUXP)
HDMI1_TX_SCL_PORT: ED5011.1 J5001.15(SCL) Q5007.3(DRAIN) R5021.2
HDMI1_TX_SDA_PORT: ED5010.1 J5001.16(SDA) Q5008.3(DRAIN) R5024.2
HDMI_RX_CEC: Q4904.2(SOURCE) R4916.2 U1000.AG23(GPIO3_D1_D)
HDMI_RX_CEC_PORT: ED4901.1 J4900.13(CEC) Q4904.3(DRAIN) R4917.2
HDMI_RX_CLKN: R4900.2 U1000.AF5(HDMI_RX_CLKN)
HDMI_RX_CLKN_PORT: ED4900.1(IO1) ED4900.10(NC_10) J4900.12(CLKN) R4900.1
HDMI_RX_CLKP: R4901.2 U1000.AF6(HDMI_RX_CLKP)
HDMI_RX_CLKP_PORT: ED4900.2(IO2) ED4900.9(NC_9) J4900.10(CLKP) R4901.1
HDMI_RX_D0N: R4902.2 U1000.AG4(HDMI_RX_D0N)
HDMI_RX_D0N_PORT: ED4900.4(IO3) ED4900.7(NC_7) J4900.9(D0N) R4902.1
HDMI_RX_D0P: R4903.2 U1000.AG5(HDMI_RX_D0P)
HDMI_RX_D0P_PORT: ED4900.5(IO4) ED4900.6(NC_6) J4900.7(D0P) R4903.1
HDMI_RX_D1N: R4904.2 U1000.AH5(HDMI_RX_D1N)
HDMI_RX_D1N_PORT: ED4905.1(IO1) ED4905.10(NC_10) J4900.6(D1N) R4904.1
HDMI_RX_D1P: R4905.2 U1000.AH6(HDMI_RX_D1P)
HDMI_RX_D1P_PORT: ED4905.2(IO2) ED4905.9(NC_9) J4900.4(D1P) R4905.1
HDMI_RX_D2N: R4906.2 U1000.AJ4(HDMI_RX_D2N)
HDMI_RX_D2N_PORT: ED4905.4(IO3) ED4905.7(NC_7) J4900.3(D2N) R4906.1
HDMI_RX_D2P: R4907.2 U1000.AJ5(HDMI_RX_D2P)
HDMI_RX_D2P_PORT: ED4905.5(IO4) ED4905.6(NC_6) J4900.1(D2P) R4907.1
HDMI_RX_HPD_PORT: ED4904.1 J4900.19(HPD) R4910.2
HDMI_RX_REXT: R1730.1 U1000.AF3(HDMI_RX_REXT)
HDMI_RX_SCL_M1: Q4902.2(SOURCE) R4913.2 U1000.AG25(GPIO3_D2_D)
HDMI_RX_SDA_M1: Q4905.2(SOURCE) R4919.2 U1000.AG24(GPIO3_D3_D)
HDMI_RXDDC_SCL_PORT: ED4902.1 J4900.15(SCL) Q4902.3(DRAIN) R4914.2
HDMI_RXDDC_SDA_PORT: ED4903.1 J4900.16(SDA) Q4905.3(DRAIN) R4920.2
HDMI_TX0_REXT: R1708.1 U1000.AM2(HDMI/EDP_TX0_REXT)
HDMI_TX1_REXT: R1719.1 U1000.AN1(HDMI/EDP_TX1_REXT)
HDMI_VDDA0V85_S0: C1714.1 C1715.1 C1729.1 C1730.1 C1735.1 C1751.1 C1752.1 C2267.1 U1000.AA9(HDMI/EDP_TX0_VDD_0V75) U1000.AB9(HDMI/EDP_TX0_AVDD_0V75) U1000.AC9(HDMI/EDP_TX1_AVDD_0V75) U1000.AD9(HDMI/EDP_TX1_VDD_0V75) U2200.11(NLDO3)
HDMIIRX_DET_L: Q4900.3(COLLECTOR) R1532.2 R4909.2
HDMIIRX_HPDOUT_H: R4918.1 U1000.AA27(GPIO3_D4_D)
HDMITX0_CEC_M0: Q5002.2(SOURCE) R5017.2 U1000.AK24(GPIO4_C1_D)
HDMITX0_HPDIN_M0: Q5016.3(DRAIN) R5050.1 U1000.B26(GPIO1_A5_D)
HDMITX0_SCL_M0: Q5000.2(SOURCE) R5000.2 U1000.AJ28(GPIO4_B7_U)
HDMITX0_SDA_M0: C5010.2 Q5001.2(SOURCE) R5002.2 U1000.AJ25(GPIO4_C0_U)
HDMITX1_CEC_M2: Q5013.2(SOURCE) R5038.2 U1000.AH26(GPIO3_C4_U)
HDMITX1_HPDIN_M0: Q5014.3(DRAIN) R5051.1 U1000.C24(GPIO1_A6_D)
HDMITX1_SCL_M1: Q5007.2(SOURCE) R5020.2 U1000.AG26(GPIO3_C6_U)
HDMITX1_SDA_M1: C5025.2 Q5008.2(SOURCE) R5022.2 U1000.AH25(GPIO3_C5_U)
HOST0_DM: ED2610.1 J2601.2(D-) L2601.3 R2613.1
HOST0_DP: ED2611.1 J2601.3(D+) L2601.1 R2614.1
HOST0_REXT: R1400.1 U1000.AG9(USB20_HOST0_REXT)
HOST1_DM: ED2501.1 J2501.2(D-) L2501.3 R2504.1
HOST1_DP: ED2500.1 J2501.3(D+) L2501.1 R2502.1
HOST1_REXT: R1401.1 U1000.AH9(USB20_HOST1_REXT)
HOST_WAKE_BT_H: R6212.1 U1000.P30(GPIO0_C5_U)
HOST_WAKE_BT_S: R6212.2 R6213.1 U6200.49(BT_WAKE)
HP_DET_L: C7022.1 ED7005.1 JP7000.5 R1530.2 R7019.2
HP_GND: C7008.2 JP7000.1 R7015.1
I2C0_SCL_M2: R1140.2 U1000.W30(GPIO0_D1_U) U2300.A3(SCL) U2301.A3(SCL)
I2C0_SDA_M2: R1139.2 U1000.W29(GPIO0_D2_U) U2300.B1(SDA) U2301.B1(SDA)
I2C1_SCL_M2: R1114.2 U1000.V29(GPIO0_D4_U) U2303.A3(SCL)
I2C1_SDA_M2: R1113.2 U1000.V28(GPIO0_D5_U) U2303.B1(SDA)
I2C2_SCL_M4_MIPI: R1903.2 R4624.1 R4625.2 U1000.A25(GPIO1_A1_D)
I2C2_SDA_M4_MIPI: R1904.2 R4622.1 R4623.2 U1000.A24(GPIO1_A0_D)
I2C3_SCL_M0_MIPI: R1507.2 R4728.1 R4729.2 U1000.G27(GPIO1_C1_Z)
I2C3_SDA_M0_MIPI: R1506.2 R4726.1 R4727.2 U1000.G29(GPIO1_C0_Z)
I2C4_SCL_M1_SENSOR: R1920.2 R4753.2 R9013.1 U1000.AB30(GPIO2_B5_U)
I2C4_SCL_SENSOR: CON9000.2(SCL) R9013.2 U9000.13(SCL)
I2C4_SDA_M1_SENSOR: R1921.2 R4752.2 R9012.1 U1000.AB31(GPIO2_B4_U)
I2C4_SDA_SENSOR: CON9000.8(SDA) R9012.2 U9000.14(SDA)
I2C5_SCL_M0_TP: R1900.2 R5515.1 R5542.1 U1000.AJ24(GPIO3_C7_U)
I2C5_SDA_M0_TP: R1901.2 R5516.2 R5543.2 U1000.AH24(GPIO3_D0_U)
I2C6_SCL_M0: R1131.2 U1000.W31(GPIO0_D0_D) U2400.6(SCL)
I2C6_SDA_M0: R1130.2 U1000.V31(GPIO0_C7_D) U2400.5(SDA)
I2C7_SCL_M0_CODEC: R1502.2 R4653.2 R7007.1 U1000.F26(GPIO1_D0_D)
I2C7_SDA_M0_CODEC: R1501.2 R4654.2 R7008.1 U1000.F27(GPIO1_D1_D)
I2C_ADDR_CE: R7009.1 U7000.26(CE)
I2C_SCL_TP: J5501.23 R5542.2
I2C_SDA_TP: J5501.24 R5543.1
I2S0_LRCK_TX: R7005.1 U1000.D30(GPIO1_C5_D)
I2S0_MCLK: R7002.1 U1000.F30(GPIO1_C2_D)
I2S0_SCLK_TX: R7003.1 U1000.E31(GPIO1_C3_D)
I2S0_SDI0: R1534.1 R7006.1 U1000.D28(GPIO1_D4_D)
I2S0_SDO0: R1535.1 R7004.1 U1000.E29(GPIO1_C7_D)
I2S2_LRCK_M0_BT: R6219.1 U1000.AE34(GPIO2_C0_D)
I2S2_SCLK_M0_BT: R6222.1 U1000.AD34(GPIO2_B7_D)
I2S2_SDI_M0_BT: R6221.1 U1000.AD30(GPIO2_C3_D)
I2S2_SDO_M0_BT: R6220.1 U1000.AF34(GPIO4_C3_D)
INP_PHONE_MIC: C7007.2 ED7004.1 JP7000.4 R7011.2 R7012.2
IRC_AIN: R4640.1 R4738.1 U1000.AK30(GPIO4_A0_D)
IRC_BIN: R4641.1 R4739.1 U1000.AL30(GPIO4_A1_D)
ISOLATEB: R6808.1 U6800.20(ISOLATEB)
LANWAKEB: R6806.1 R6811.1 U6800.21(LANWAKEB)
LCD0_BL_PWM14_M0: J5501.17 R5540.2
LCD_BL_EN_H: R5514.2 R5541.2 U1000.AD32(GPIO2_C1_D)
LCD_BL_PWM1: R5510.1 R5540.1 U1000.T31(GPIO0_C0_D)
LCD_PWREN_H: R2324.1 R5512.2 R5554.2 U1000.U33(GPIO0_D3_U) U2306.4(EN)
LCD_RESET: J5500.20 R5512.1
LED0: TP6800.1 U6800.27(LED0)
LED1/GPO: C6819.1 J6800.11(G+) U6800.26(LED1/GPO)
LED2/LED1: C6818.1 R6821.1 U6800.25(LED2(LED1))
LOUT1: C7021.1 U7000.12(LOUT1)
LOUT2: R7031.1 U7000.15(LOUT2)
MAC1_MCLKINOUT: R1519.1 U1000.AE29(GPIO3_B6_D)
MAC1_MDIO: R1520.1 U1000.Y30(GPIO3_C3_D)